# Altium PCB RFC_MB.PcbDoc (part 35 of 37) (continued)
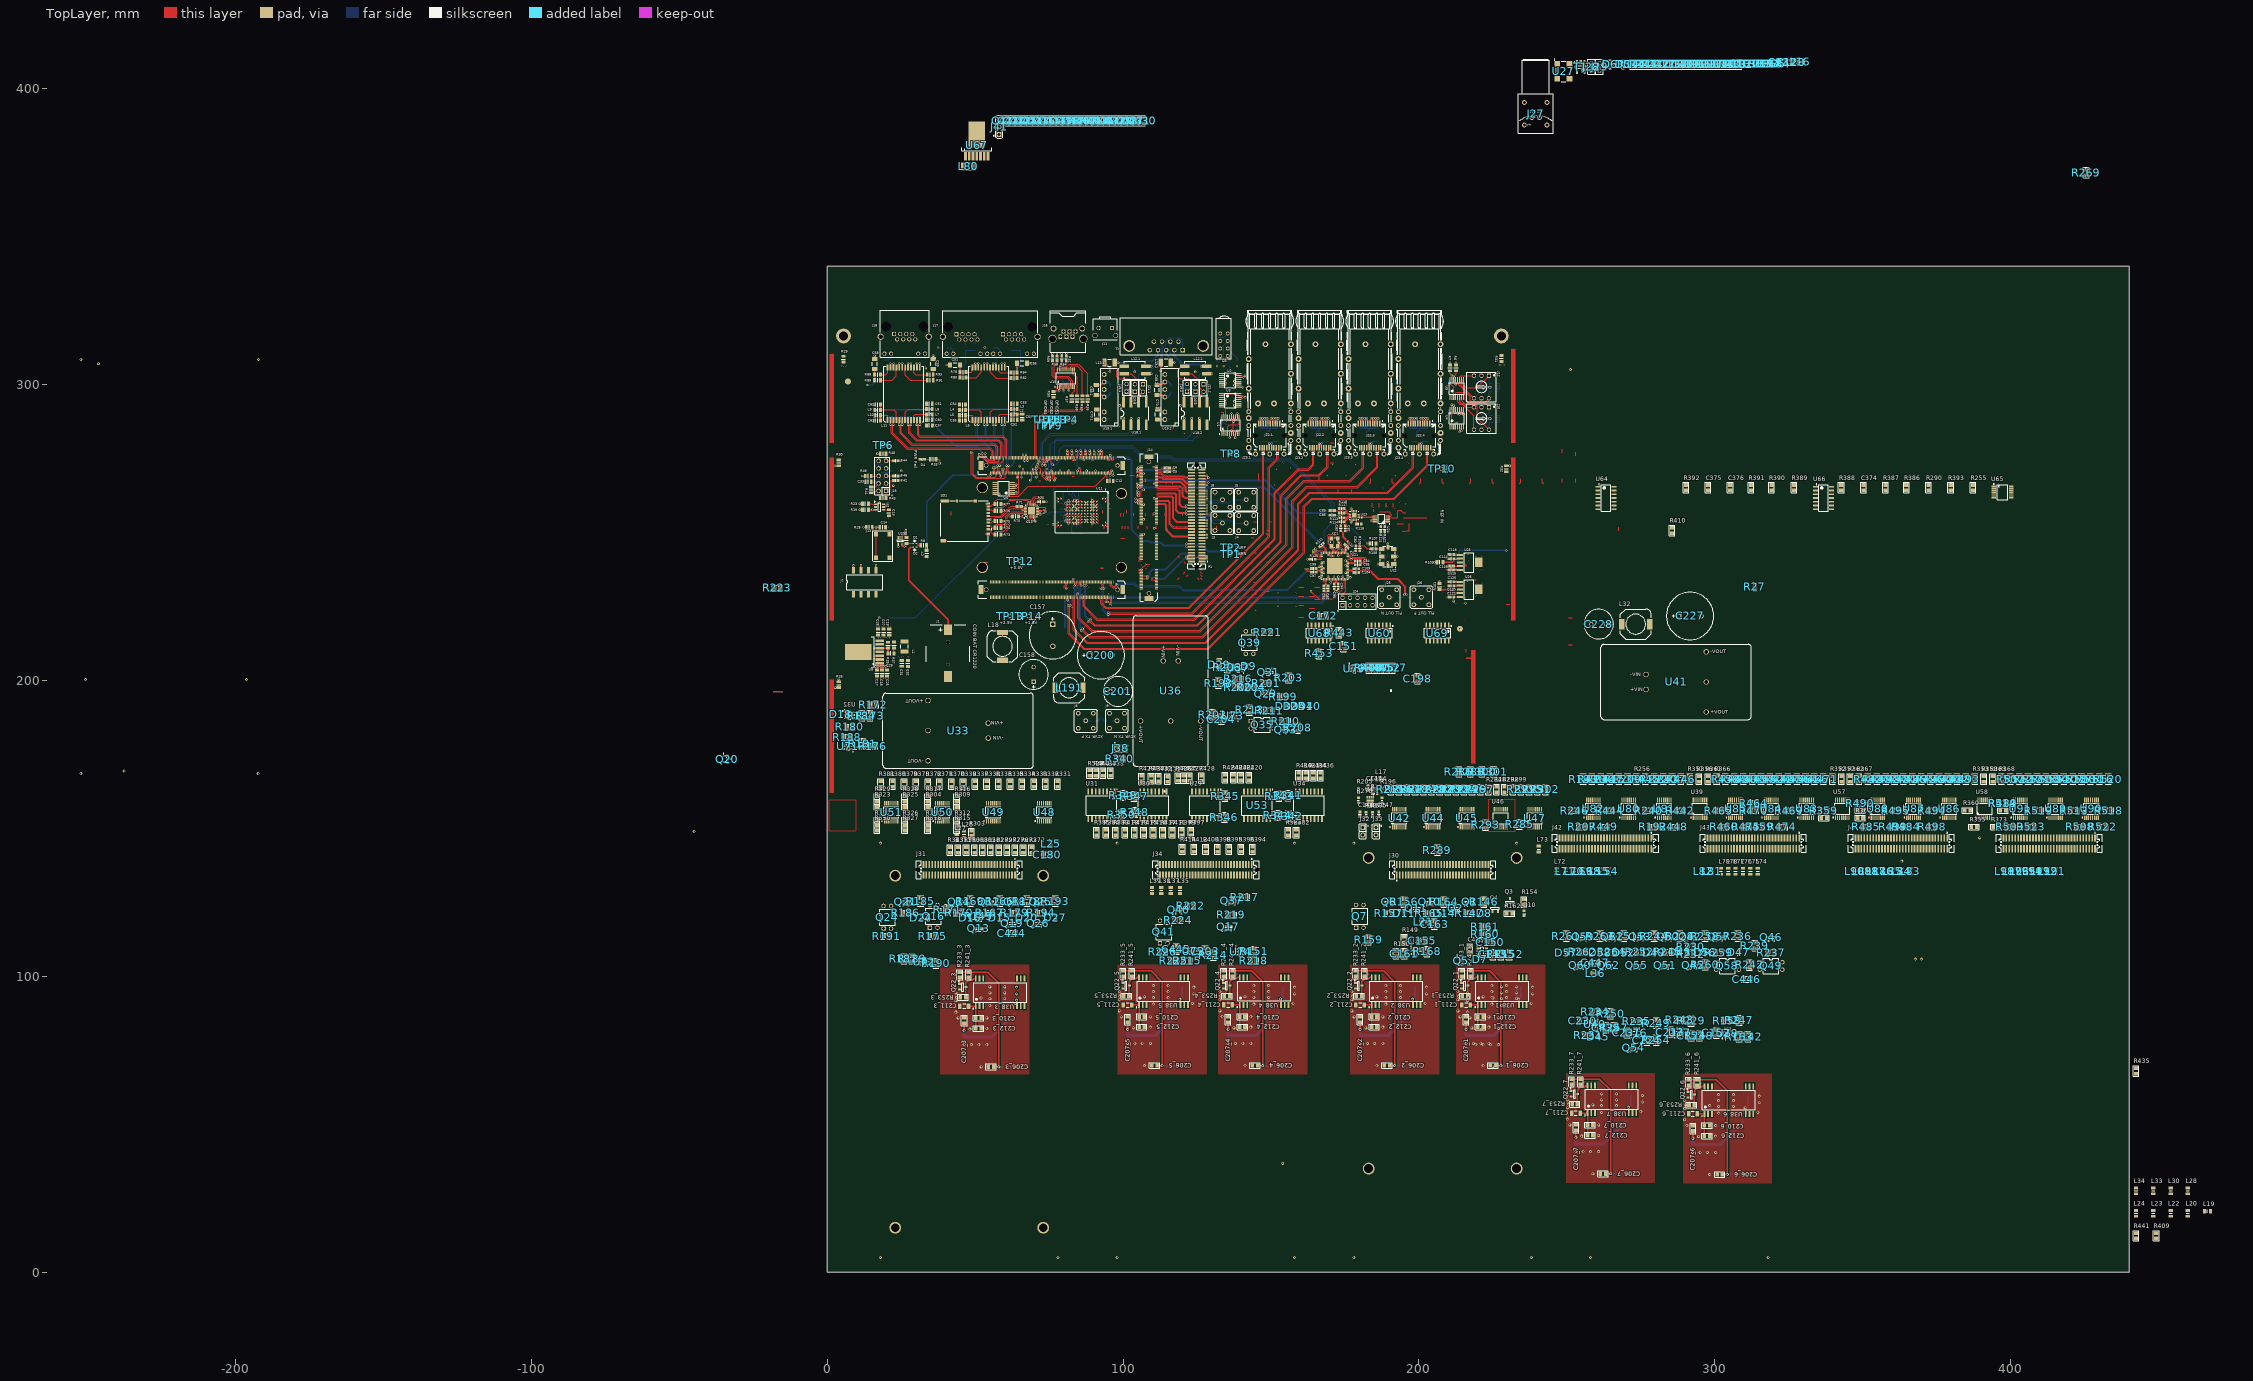
[diagram p0: TopLayer view]
## Nets (pads, with @x,y where several pads share a name; then routed paths per layer and width w, separated by ;. In a path a pad name is that pad's centre, name@x,y a point inside that pad or via, vN(x,y) a via of type N, cw(c..) or ccw(c..) an arc to the next point about the centre after c; other vN are vias at no path point) (continued)
  MidLayer4 w0.15: v1(104.7,262.9) 107.45,262.9 107.904,262.446 115.183,262.446 119.979,257.65 121.97,257.65 125.78,253.84 128.065,253.84 v1(128.375,254.15)
IO_CR27: J14.C132 P1.33 R506.2 | length 28.8
  TopLayer w0.15: v1(105.175,263.4) J14.C132@106.125,263.4 ; P1.33@126.7,256.15 v1(128.375,256.15)
  MidLayer4 w0.15: v1(105.175,263.4) 107.575,263.4 108,262.975 118.375,262.975 124.86,256.49 128.035,256.49 v1(128.375,256.15)
IO_CR28: J14.C134 P1.35 R511.2 | length 29.8
  TopLayer w0.15: v1(104.7,263.9) J14.C134@106.125,263.9 ; P1.35@126.7,257.15 v1(128.375,257.15)
  MidLayer4 w0.15: v1(104.7,263.9) 107.775,263.9 108.35,263.325 118.52,263.325 125.005,256.84 128.065,256.84 v1(128.375,257.15)
IO_CR29: J14.C138 P1.37 R516.2 | length 28.6
  TopLayer w0.15: v1(105.175,264.9) J14.C138@106.125,264.9 ; P1.37@126.7,258.15 v1(128.375,258.15)
  MidLayer4 w0.15: v1(105.175,264.9) 107.325,264.9 107.775,264.45 119.025,264.45 124.985,258.49 128.035,258.49 v1(128.375,258.15)
IO_CR30: J14.C140 P1.39 R520.2 | length 29.6
  TopLayer w0.15: v1(104.7,265.4) J14.C140@106.125,265.4 ; P1.39@126.7,259.15 v1(128.375,259.15)
  MidLayer4 w0.15: v1(104.7,265.4) 107.3,265.4 107.9,264.8 119.17,264.8 125.13,258.84 128.065,258.84 v1(128.375,259.15)
IO_CR31: J14.C142 P1.43 R507.2 | length 27.8
  TopLayer w0.15: v1(105.175,265.9) J14.C142@106.125,265.9 ; P1.43@126.7,261.15 v1(128.375,261.15)
  MidLayer4 w0.15: v1(105.175,265.9) 107.625,265.9 108.075,265.45 120.575,265.45 124.535,261.49 128.035,261.49 v1(128.375,261.15)
IO_CR32: J14.C144 P1.45 R512.2 | length 28.8
  TopLayer w0.15: v1(104.7,266.4) J14.C144@106.125,266.4 ; P1.45@126.7,262.15 v1(128.375,262.15)
  MidLayer4 w0.15: v1(104.7,266.4) 107.625,266.4 108.225,265.8 120.72,265.8 124.68,261.84 128.065,261.84 v1(128.375,262.15)
IO_CR33: C88.2 J14.C148
IO_CR34: C89.2 J14.C150
IO_CR35: J14.C154 P1.47 | length 29.2
  TopLayer w0.15: v1(104.7,268.9) J14.C154@106.125,268.9 ; P1.47@126.7,263.15 v1(128.375,263.15)
  MidLayer4 w0.15: v1(104.7,268.9) 108.025,268.9 109.725,267.2 121.25,267.2 124.96,263.49 128.035,263.49 v1(128.375,263.15)
IO_CR36: J14.C156 P1.49 | length 28.3
  TopLayer w0.15: v1(105.175,269.4) J14.C156@106.125,269.4 ; P1.49@126.7,264.15 v1(128.375,264.15)
  MidLayer4 w0.15: v1(105.175,269.4) 108.041,269.4 108.433,269.008 108.422,268.997 109.87,267.55 121.395,267.55 125.105,263.84 128.065,263.84 v1(128.375,264.15)
IO_CR37: J14.C160 P1.53 | length 28.5
  TopLayer w0.15: v1(104.7,270.4) J14.C160@106.125,270.4 ; P1.53@126.7,266.15 v1(128.375,266.15)
  MidLayer4 w0.15: v1(104.7,270.4) 107.65,270.4 107.825,270.225 112.03,270.225 113.83,268.425 122.8,268.425 124.885,266.34 127.585,266.34 127.775,266.15 v1(128.375,266.15)
IO_CR38: J14.C162 P1.55 | length 28.8
  TopLayer w0.15: v1(105.175,270.9) J14.C162@106.125,270.9 ; P1.55@126.7,267.15 128.575,267.15 v1(128.875,266.85)
  MidLayer4 w0.15: v1(105.175,270.9) 107.75,270.9 108.075,270.575 112.175,270.575 113.975,268.775 122.945,268.775 125.03,266.69 127.615,266.69 127.775,266.85 v1(128.875,266.85)
IO_CR39: J14.C164 P1.57 | length 29
  TopLayer w0.15: v1(104.7,271.4) J14.C164@106.125,271.4 ; P1.57@126.7,268.15 128.525,268.15 v1(128.825,268.45)
  MidLayer4 w0.15: v1(104.7,271.4) 107.825,271.4 108.075,271.15 112.55,271.15 114.05,269.65 123.8,269.65 124.84,268.61 127.615,268.61 127.775,268.45 v1(128.825,268.45)
IO_CR40: J14.C166 P1.59 | length 27.1
  TopLayer w0.15: v1(105.175,271.9) J14.C166@106.125,271.9 ; P1.59@126.7,269.15 v1(128.375,269.15)
  MidLayer4 w0.15: v1(105.175,271.9) 107.925,271.9 108.325,271.5 112.695,271.5 114.195,270 123.945,270 124.985,268.96 127.585,268.96 127.775,269.15 v1(128.375,269.15)
IO_CR_FX1: J14.C4
IO_CR_FX2: J14.C6
IO_CR_FX3: J14.C10
IO_CR_FX4: J14.C12
IO_CR_FX5: J14.C24 | length 1
  TopLayer w0.15: 105.175,236.4 J14.C24@106.125,236.4
IO_CR_FX6: J14.C28 | length 1
  TopLayer w0.15: 105.175,237.4 J14.C28@106.125,237.4
IO_CR_FX7: J14.C32
IO_CR_FX8: J14.C36
IO_CR_FX9: J14.C40 | length 1
  TopLayer w0.15: 105.175,240.4 J14.C40@106.125,240.4
IO_CR_FX10: J14.C44 | length 1
  TopLayer w0.15: 105.175,241.4 J14.C44@106.125,241.4
IO_CR_FX11: J14.C48
IO_CR_FX12: J14.C50
IO_CR_FX13: J14.C54
IO_CR_FX14: J14.C56
IO_CR_FX15: J14.C60
IO_CR_FX16: J14.C62
IO_DDS1: R265.2
IO_DDS2: R266.2
IO_DDS3: R267.2
IO_DDS4: R268.2
IO_DDS5: R274.2
IO_DDS6: R278.2
IO_DDS7: R282.2
IO_DDS8: R283.2
IO_DDS9: R292.2
IO_DDS10: R294.2
IO_DDS11: R296.2
IO_DDS12: R297.2
IO_DDS13: R287.2
IO_DDS14: R284.2
IO_DDS15: R298.2
IO_DDS16: R299.2
IO_DDS17: R291.2@234.5,164.05
IO_DDS18: R295.2
IO_DDS19: R291.2@240,164.05
IO_DDS20: R269.1
IO_DDS21: R286.2
IO_DDS22: R288.2
IO_DDS23: R300.2
IO_DDS24: R301.2
IO_UPDT: R268.1 U42.11
IO_UPDTdds: J30.18 U44.5
IOCL21: P1.18 | length 21.4
  TopLayer w0.15: 111.325,259.4 111.95,259.4 112.04,259.49 113.96,259.49 114.425,259.025 114.425,250.73 116.68,248.475 121.8,248.475 122.125,248.15 P1.18@123.1,248.15
IOCL22: P1.20 | length 21.4
  TopLayer w0.15: 111.325,259.9 111.95,259.9 112.01,259.84 114.105,259.84 114.775,259.17 114.775,250.875 116.825,248.825 121.8,248.825 122.125,249.15 P1.20@123.1,249.15
IOCL23: P1.24 | length 19.9
  TopLayer w0.15: 111.325,260.4 111.95,260.4 112.04,260.49 115.11,260.49 115.6,260 115.6,252.78 116.905,251.475 121.8,251.475 122.125,251.15 P1.24@123.1,251.15
IOCL24: P1.26 | length 19.9
  TopLayer w0.15: 111.325,260.9 111.95,260.9 112.01,260.84 115.255,260.84 115.95,260.145 115.95,252.925 117.05,251.825 121.8,251.825 122.125,252.15 P1.26@123.1,252.15
IOCL25: P1.28 | length 19.5
  TopLayer w0.15: 111.325,261.9 111.95,261.9 112.04,261.99 116.285,261.99 116.75,261.525 116.75,254.7 117.975,253.475 121.8,253.475 122.125,253.15 P1.28@123.1,253.15
IOCL26: P1.30 | length 19.5
  TopLayer w0.15: 111.325,262.4 111.95,262.4 112.01,262.34 116.43,262.34 117.1,261.67 117.1,254.845 118.12,253.825 121.8,253.825 122.125,254.15 P1.30@123.1,254.15
IOCL27: P1.34
IOCL28: P1.36
IOCL29: P1.38
IOCL30: P1.40
IOCL31: P1.44 | length 15.1
  TopLayer w0.15: 111.325,265.4 111.95,265.4 112.04,265.49 119.21,265.49 119.95,264.75 119.95,262.275 120.75,261.475 121.8,261.475 122.125,261.15 P1.44@123.1,261.15
IOCL32: P1.46 | length 15
  TopLayer w0.15: 111.325,265.9 111.95,265.9 112.01,265.84 119.355,265.84 120.3,264.895 120.3,262.45 120.925,261.825 121.8,261.825 122.125,262.15 P1.46@123.1,262.15
IOCL33: P1.48 | length 14.2
  TopLayer w0.15: 111.325,266.9 111.95,266.9 112.04,266.99 119.285,266.99 120.975,265.3 120.975,263.972 121.472,263.475 121.8,263.475 122.125,263.15 P1.48@123.1,263.15
IOCL34: P1.50 | length 14.2
  TopLayer w0.15: 111.325,267.4 111.95,267.4 112.01,267.34 119.43,267.34 121.325,265.445 121.325,264.075 121.575,263.825 121.8,263.825 122.125,264.15 P1.50@123.1,264.15
IOCL35: P1.54 | length 12.8
  TopLayer w0.15: 111.325,268.4 111.95,268.4 112.04,268.49 112.96,268.49 113.45,268 119.8,268 121.325,266.475 121.8,266.475 122.125,266.15 P1.54@123.1,266.15
IOCL36: P1.56 | length 12.8
  TopLayer w0.15: 111.325,268.9 111.95,268.9 112.01,268.84 113.105,268.84 113.595,268.35 120.05,268.35 121.575,266.825 121.8,266.825 122.125,267.15 P1.56@123.1,267.15
IOCL37: P1.58 | length 12.5
  TopLayer w0.15: 111.325,269.9 112.725,269.9 113.8,268.825 120.225,268.825 120.575,268.475 121.8,268.475 122.125,268.15 P1.58@123.1,268.15
IOCL38: P1.60 | length 12.6
  TopLayer w0.15: 111.325,270.4 112.775,270.4 114.025,269.15 120.45,269.15 120.775,268.825 121.8,268.825 122.125,269.15 P1.60@123.1,269.15
JTAG_P\R\S\N\T\: J15.2 R41.1 | length 2.8
  TopLayer w0.25: R41.1@14.875,263.375 15.875,263.375 16.52,264.02 J15.2@17.38,264.02
JTAG_TCK: J14.A123 R42.1 | length 52.7
  TopLayer w0.15: J14.A123@66.175,275.25 v1(66.175,276.25)
  TopLayer w0.3: R42.1@23.96,267.56 v1(24.94,267.56)
  MidLayer3 w0.15: v1(24.94,267.56) 25.625,268.245 25.625,269.5 25.175,269.95 24.825,269.95 24.245,270.53 24.245,274.645 24.525,274.925 64.85,274.925 v1(66.175,276.25)
JTAG_TDI: J14.A117 R44.1 | length 45.5
  TopLayer w0.15: v1(67.675,274.25) J14.A117@67.675,275.25
  TopLayer w0.3: R44.1@23.96,274.21 v1(24.94,274.21)
  MidLayer3 w0.15: v1(24.94,274.21) 26.51,274.21 26.89,274.59 61.03,274.59 61.995,273.625 67.05,273.625 v1(67.675,274.25)
JTAG_TDO: J14.A121 R47.1 | length 1.9
  TopLayer w0.15: v1(66.675,274.25) J14.A121@66.675,275.25
  BottomLayer w0.15: v1(66.675,274.25) 66.7,274.275 R47.1@66.7,273.425
JTAG_TMS: J14.A119 R46.1 | length 52.4
  TopLayer w0.15: J14.A119@67.175,275.25 v1(67.175,276.275)
  TopLayer w0.3: R46.1@23.96,269.11 v1(24.94,269.11)
  MidLayer3 w0.15: v1(24.94,269.11) 23.925,270.125 23.925,274.778 24.392,275.245 64.295,275.245 65.825,276.775 66.675,276.775 v1(67.175,276.275)
M_RST: R278.1 U44.13
M_RSTdds: J30.31 U46.4
MGND: C51.2 C56.1 C58.1 C59.1 J2.5 J2.S1 J2.S2 J11.0 J16.0 J17.S1 J17.S2 J18.S1 J18.S2 R26.1 R27.1 R29.1 R31.1 | length 245.5
  TopLayer w0.3: R26.1@3.925,199.55 v1(3.925,200.425) ; C58.1@16.035,308.585 v1(16.035,309.685) ; C59.1@35.81,308.635 v1(35.81,309.735) ; v1(40.4,306.575) C51.2@41.5,306.575 ; C56.1@67.535,307.185 v1(68.635,307.185) ; 215.9,209.55 215.9,210.4 215.925,210.425
  MidLayer3 w0.5: v1(3.925,200.425) 2.175,200.425 1.5,201.1 1.5,312.4 5.5,316.4 ; 215.9,210.4 215.925,210.425 217.675,210.425 218.35,211.1 ; 227.85,316.4 231.85,312.4 231.85,201.1
MGT_RX1_N: J14.B28
MGT_RX1_P: J14.B24
MGT_RX2_N: J14.B36
MGT_RX2_P: J14.B32
MGT_RX6N: J14.B62
MGT_RX6P: J14.B60
MGT_RX7N: J14.B68
MGT_RX7P: J14.B66
MGT_RX8.IO_N: J14.C20 P1.5 | length 28.7
  TopLayer w0.15: J14.C20@106.125,235.4 107.5,235.4 107.665,235.235 v1(108.175,235.235) ; P1.5@126.7,242.15 128.175,242.15 v1(128.327,241.998)
  BottomLayer w0.15: v1(108.175,235.235) 108.348,235.062 108.525,235.062 108.875,235.412 108.875,236.635 109.89,237.65 114.275,237.65 119.7,243.075 122.335,243.075 123.585,241.825 128.153,241.825 v1(128.327,241.998)
MGT_RX8.IO_P: J14.C16 P1.3 | length 28.7
  TopLayer w0.15: J14.C16@106.125,234.4 107.55,234.4 107.715,234.565 v1(108.175,234.565) ; P1.3@126.7,241.15 128.153,241.15 v1(128.327,241.323)
  BottomLayer w0.15: v1(108.175,234.565) 108.348,234.738 108.66,234.738 109.2,235.278 109.2,236.5 110.025,237.325 114.41,237.325 119.835,242.75 122.2,242.75 123.45,241.5 128.15,241.5 v1(128.327,241.323)
MGT_TX1_N: J14.B25
MGT_TX1_P: J14.B21
MGT_TX2_N: J14.B33
MGT_TX2_P: J14.B29
MGT_TX6_N: C9.2 J14.B63 | length 2.2
  TopLayer w0.25: v1(80.773,231.175) 80.773,231.823 81.175,232.225 J14.B63@81.175,233.25
MGT_TX6_P: C8.2 J14.B65 | length 2.3
  TopLayer w0.25: 80.103,231.175 80.103,231.778 80.675,232.35 J14.B65@80.675,233.25
MGT_TX7N: J14.B71
MGT_TX7P: J14.B69
MGT_TX8.IO_N: J14.C17 P1.6 | length 18.8
  TopLayer w0.15: 109.575,234.735 109.59,234.75 110,234.75 110.15,234.9 J14.C17@111.325,234.9 ; v1(121.476,241.973) 121.653,242.15 P1.6@123.1,242.15
  BottomLayer w0.15: 109.59,234.75 109.575,234.735 109.735,234.895 110.73,234.895 111.063,234.563 113.863,234.563 121.1,241.8 121.45,241.8 121.476,241.826 v1(121.476,241.973)
MGT_TX8.IO_P: J14.C13 P1.4 | length 18.8
  TopLayer w0.15: 109.575,234.065 109.59,234.05 110,234.05 110.15,233.9 J14.C13@111.325,233.9 ; v1(121.476,241.298) 121.625,241.15 P1.4@123.1,241.15
  BottomLayer w0.15: 109.59,234.05 109.575,234.065 109.735,233.905 110.73,233.905 111.063,234.237 113.997,234.237 121.235,241.475 121.45,241.475 121.476,241.449 v1(121.476,241.298)
ModDef_SFP0: J22.1.6 R100.1.8 U3.5 | length 27.1
  TopLayer w0.15: U3.5@133.255,294.275 v1(134.45,294.275) v1@134.455,294.275
  TopLayer w0.3: v1(148.68,288.595) 148.68,288.195 148.975,287.9 J22.1.6@148.975,286.8
  MidLayer4 w0.15: v1(134.45,294.275) 134.9,294.275 135.57,293.605 135.57,292.76 136.845,291.485 140.162,291.485 140.89,290.757 140.89,285.935 141.825,285 143.675,285 145.7,287.025 147.525,287.025 148.68,288.18 v1(148.68,288.595)
  BottomLayer w0.15: R100.1.8@148.68,287.7 v1(148.68,288.595)
ModDef_SFP1: J22.2.6 R100.2.8 U3.10 | length 38.4
  TopLayer w0.15: v1(137.6,292.975) U3.10@138.95,292.975
  TopLayer w0.3: v1(165.555,288.595) 165.555,288.195 165.85,287.9 J22.2.6@165.85,286.8
  MidLayer4 w0.15: v1(137.6,292.975) 142.4,292.975 144.525,295.1 163.675,295.1 165.555,293.22 v1(165.555,288.595)
  BottomLayer w0.15: R100.2.8@165.555,287.7 v1(165.555,288.595)
ModDef_SFP2: J22.3.6 R100.3.8 U2.5 | length 71.5
  TopLayer w0.15: U2.5@133.255,301.05 v1(134.45,301.05) v1@134.455,301.05
  TopLayer w0.3: v1(182.43,288.595) 182.43,288.195 182.725,287.9 J22.3.6@182.725,286.8
  MidLayer4 w0.15: v1(134.45,301.05) 134.875,301.05 137.705,298.22 140.392,298.22 141.742,296.87 185.517,296.87 187.15,295.237 187.15,289.138 187.145,289.133 187.145,288.117 186.778,287.75 183.275,287.75 v1(182.43,288.595)
  BottomLayer w0.15: R100.3.8@182.43,287.7 v1(182.43,288.595)
ModDef_SFP3: J22.4.6 R100.4.8 U2.10 | length 75.7
  TopLayer w0.15: v1(137.6,299.75) U2.10@138.95,299.75
  TopLayer w0.3: v1(199.305,288.595) 199.305,288.195 199.6,287.9 J22.4.6@199.6,286.8
  MidLayer4 w0.15: v1(137.6,299.75) 139.5,299.75 140.32,300.57 195.108,300.57 198.025,297.653 198.025,290.225 199.305,288.945 v1(199.305,288.595)
  BottomLayer w0.15: R100.4.8@199.305,287.7 v1(199.305,288.595)
MX0: R338.1 U49.14
MX0_Host2i: R425.2 U29.3
MX0i: J34.30 U29.14
MX1: R337.1 U49.13
MX1_Host2i: R424.2 U53.5
MX1i: J34.26 U53.12
MX2: R336.1 U49.12
MX2_Host2i: R423.2 U53.6
MX2i: J34.22 U53.11
NetC13_1: C13.1 U7.4 | length 1.8
  TopLayer w0.25: U7.4@19.035,257.635 20.84,257.635 C13.1@20.85,257.625
NetC16_1: C16.1 R34.1 U8.2 | length 19.5
  TopLayer w0.5: v1(15.82,207.07) U8.2@17.76,207.07
  MidLayer3 w0.25: v1@15.8,207.05 v1(15.82,207.07) 16.45,207.7 16.45,212.15 15.95,212.65 15.95,219.475 v1(17.575,221.1)
  BottomLayer w0.25: C16.1@14.5,207.05 v1@15.8,207.05 ; v1(17.575,221.1) 18.6,221.1 R34.1@18.6,221.125
NetC29_1: C29.1 R37.2 | length 1.8
  TopLayer w0.3: C29.1@22.535,209.11 22.56,209.16 R37.2@22.56,210.935
NetC29_2: C29.2 R35.2 R38.1 U8.5 | length 9.2
  TopLayer w0.5: v1(15.82,210.88) U8.5@17.76,210.88
  TopLayer w0.6: U8.5@17.76,210.88 17.76,210.885 R35.2@20.535,210.885 C29.2@20.535,209.11
  BottomLayer w0.5: v1(15.82,210.88) 15.82,211.445 16.135,211.76 R38.1@17.785,211.76
NetC30_2: C30.2 U8.3 | length 5.6
  TopLayer w0.5: v1(15.82,208.34) U8.3@17.76,208.34
  BottomLayer w0.3: v1(15.82,208.34) 16.43,208.34 16.585,208.185 16.585,206.71 17.01,206.285 C30.2@17.785,206.285
NetC34_1: C34.1 U10.3 | length 2.1
  TopLayer w0.25: U10.3@79.085,299.16 v1(79.085,300.135)
  BottomLayer w0.25: C34.1@77.985,300.185 78.035,300.135 v1(79.085,300.135)
NetC35_1: C35.1 U10.7 | length 2.4
  TopLayer w0.25: v1(81.685,298.01) U10.7@81.685,299.16
  BottomLayer w0.25: v1(81.685,298.01) 81.985,298.31 C35.1@81.985,299.16
NetC36_1: C36.1 U10.4 | length 2.3
  TopLayer w0.25: v1(79.735,298.01) U10.4@79.735,299.16
  BottomLayer w0.25: v1(79.735,298.01) 80.135,297.61 C36.1@80.135,297.01
NetC36_2: C36.2 U10.2 | length 2.3
  TopLayer w0.25: v1(78.435,298.01) U10.2@78.435,299.16
  BottomLayer w0.25: C36.2@78.135,297.01 78.135,297.71 v1(78.435,298.01)
NetC37_1: C37.1 U10.6 | length 2.7
  TopLayer w0.25: U10.6@81.035,299.16 81.035,300.31
  BottomLayer w0.25: 81.035,300.31 81.16,300.36 81.71,300.91 C37.1@81.71,301.56
NetC37_2: C37.2 U10.5 | length 2.7
  TopLayer w0.25: U10.5@80.385,299.16 80.385,300.31
  BottomLayer w0.25: C37.2@79.71,301.56 79.71,300.91 80.26,300.36 80.385,300.31
NetC41_1: C41.1 C42.2 U11.E4 | length 5.3
  TopLayer w0.15: U11.E4@90.05,258.375 v1(90.55,258.875)
  BottomLayer w0.15: C41.1@92.45,259.375 91.05,259.375 v1(90.55,258.875) 91.05,258.375 C42.2@92.825,258.375
NetC51_1: C51.1 R78.1 R80.1 R81.2 R83.2 | length 15.5
  TopLayer w0.3: R80.1@44.91,302.31 R78.1@44.91,304.16 C51.1@44.91,306.425
  BottomLayer w0.25: 44.91,304.16 44.925,305.275 46.76,307.11 R81.2@46.76,311.56 46.785,311.535 R83.2@49.96,311.535
NetC52_2: C52.2 L2.1 L6.10 | length 7.7
  TopLayer w0.25: C52.2@62.2,288.075 62.2,289.88 L2.1@62.205,289.885
  TopLayer w0.3: L6.10@58.015,288 58.015,289.495 58.405,289.885 L2.1@62.205,289.885
NetC53_2: C53.2 L3.1 L6.7 | length 12.1
  TopLayer w0.25: C53.2@62.2,293.5 62.2,291.69 L3.1@62.205,291.685
  TopLayer w0.3: L6.7@55.045,288 55.045,290.65 56.08,291.685 L3.1@62.205,291.685
NetC54_2: C54.2 L4.1 L6.4 | length 10
  TopLayer w0.3: C54.2@46.75,293.2 46.755,293.195 L4.1@46.755,291.385 51.255,291.385 52.075,290.565 L6.4@52.075,288
NetC55_2: C55.2 L5.1 L6.1 | length 5.7
  TopLayer w0.3: C55.2@46.75,287.775 46.755,287.78 L5.1@46.755,289.585 48.97,289.585 49.105,289.45 L6.1@49.105,288
NetC56_2: C56.2 R82.1 R84.1 R86.2 R87.2 | length 14.7
  TopLayer w0.3: C56.2@64.135,307.185 64.16,307.16 v1(64.16,305.46) R84.1@64.16,303.985 R82.1@64.16,302.16
  BottomLayer w0.25: R86.2@62.335,311.535 R87.2@65.41,311.535 65.41,306.71 v1(64.16,305.46)
NetC58_2: C58.2 R88.1 R89.1 | length 3.8
  TopLayer w0.3: R89.1@16.035,301.435 R88.1@16.035,303.335 16.035,304.885 16.185,305.035 C58.2@16.26,305.11
NetC59_2: C59.2 R91.1 R93.1 | length 3.6
  TopLayer w0.3: C59.2@35.585,304.985 35.81,304.76 R93.1@35.81,303.335 R91.1@35.81,301.435
NetC60_2: C60.2 L7.1 L11.10 | length 7.6
  TopLayer w0.3: L11.10@29.32,288 29.32,289.495 29.71,289.885 L7.1@33.51,289.885 C60.2@33.51,288.085
NetC61_2: C61.2 L8.1 L11.7 | length 12
  TopLayer w0.3: L11.7@26.35,288 26.35,290.65 27.385,291.685 L8.1@33.51,291.685 C61.2@33.51,293.485
NetC62_2: C62.2 L9.1 L11.4 | length 10
  TopLayer w0.3: C62.2@18.06,293.185 L9.1@18.06,291.385 22.56,291.385 23.38,290.565 L11.4@23.38,288
NetC63_2: C63.2 L10.1 L11.1 | length 5.7
  TopLayer w0.3: C63.2@18.035,287.785 18.035,289.56 L10.1@18.06,289.585 20.275,289.585 20.41,289.45 L11.1@20.41,288
NetC64.1_2: C64.1.2 J20.1.2 | length 1.9
  BottomLayer w0.3: J20.1.2@103.95,300.07 C64.1.2@103.95,301.925
NetC64.2_2: C64.2.2 J20.2.2 | length 1.9
  BottomLayer w0.3: J20.2.2@124.425,300.07 C64.2.2@124.425,301.925
NetC115_1: C115.1 R104.1 U25.5 | length 4.2
  TopLayer w0.3: C115.1@211.7,237.3 211.743,237.343 v1(212.507,237.343) U25.5@213.875,237.343
  BottomLayer w0.25: 211.05,238.225 211.05,237.85 211.557,237.343 v1(212.507,237.343)
NetC119_2: C119.2 U25.4 | length 2.2
  TopLayer w0.3: C119.2@211.7,238.6 211.7,238.613 U25.4@213.875,238.613
NetC121_1: C121.1 R102.1 U26.5 | length 5.1
  TopLayer w0.15: v1(211.725,226.775) 211.723,226.777 C121.1@211.723,228.15 211.723,228.185 U26.5@213.875,228.185
  BottomLayer w0.25: v1(211.725,226.775) 211.725,226.3 211.95,226.075 R102.1@212.7,226.075
NetC122_1: C122.1 R130.1 R131.2 U26.4 | length 5.7
  TopLayer w0.15: v1(212.507,229.455) U26.4@213.875,229.455
  BottomLayer w0.25: R130.1@209.923,229.775 210.725,229.775 210.925,229.975 211.498,229.975 C122.1@211.523,229.95 212.05,229.95 212.507,229.493 v1(212.507,229.455) 212.507,229.107 212.325,228.925 R131.2@212.325,228.1
NetC126_2: C126.2 C127.2 C128.1 C130.2 C131.2 C135.2 L16.2 R133.1 R134.2
NetC133_1: C133.1 U21.7
NetC133_2: C133.2 C135.1 R134.1 R136.1
NetC134_2: C134.2 R132.1 R135.2 U27.1
NetC136_2: C136.2 R136.2
NetC137_1: C137.1 U21.10
NetC139_1: C139.1 J27.1 R137.2
NetC139_2: C139.2 T1.4
NetC140_1: C140.1 T1.3
NetC140_2: C140.2 R140.2
NetC141_1: C141.1 T1.1
NetC141_2: C141.2 R141.2
NetC142_1: C142.1 R163.2 R247.2 U78.2
NetC143_2: C143.2 R152.2 R155.2 U70.5
NetC144_2: C144.2 U43.3
NetC145_2: C145.2 U43.4
NetC146_1: C146.1 R195.2 U43.8
NetC147_1: C147.1 R197.1 U43.9
NetC148_2: C148.2 C149.2 C244.1 L17.1 R196.2 R205.2 U43.2
NetC153_2: C153.2 R229.1 R248.1 U77.5
NetC156_1: C156.1 C158.1 C165.2 C167.1 L18.2 U33.1
NetC161_1: C161.1 R149.2 R150.2 U28.2
NetC168_1: C168.1 C201.1 C435.2 C436.2 L191.2 U36.1
NetC172_1: C172.1 U68.4 U68.5
NetC172_2: C172.2 R443.1 U68.1
NetC197_2: C197.2 R200.1 R204.1 U37.5
NetC198_2: C198.2 R405.2 R407.2 U79.5
NetC205_2: C205.2 R218.1 R227.1 U74.5
NetC207_1_2: C207_1.2 L29_1.2 L31_1.1 | length 24.8
  TopLayer w0.5: 215.95,82.6 C207_1.2@215.95,84.5
  TopLayer w1: v2(215.95,82) 215.95,82.6
  BottomLayer w1: v2(215.95,82) L31_1.1@215.95,79.9 225.3,79.9 L29_1.2@232.95,87.55
NetC207_2_2: C207_2.2 L29_2.2 L31_2.1 | length 24.8
  TopLayer w0.5: 180.1,82.6 C207_2.2@180.1,84.5
  TopLayer w1: v2(180.1,82) 180.1,82.6
  BottomLayer w1: v2(180.1,82) L31_2.1@180.1,79.9 189.45,79.9 L29_2.2@197.1,87.55
NetC207_3_2: C207_3.2 L29_3.2 L31_3.1 | length 24.8
  TopLayer w0.5: 46.3,82.2 C207_3.2@46.3,84.1
  TopLayer w1: v2(46.3,81.6) 46.3,82.2
  BottomLayer w1: v2(46.3,81.6) L31_3.1@46.3,79.5 55.65,79.5 L29_3.2@63.3,87.15
NetC207_4_2: C207_4.2 L29_4.2 L31_4.1 | length 24.8
  TopLayer w0.5: 135.499,82.623 C207_4.2@135.499,84.523
  TopLayer w1: v2(135.499,82.023) 135.499,82.623
  BottomLayer w1: v2(135.499,82.023) L31_4.1@135.499,79.923 144.849,79.923 L29_4.2@152.499,87.573
NetC207_5_2: C207_5.2 L29_5.2 L31_5.1 | length 24.8
  TopLayer w0.5: 101.5,82.6 C207_5.2@101.5,84.5
  TopLayer w1: v2(101.5,82) 101.5,82.6
  BottomLayer w1: v2(101.5,82) L31_5.1@101.5,79.9 110.85,79.9 L29_5.2@118.5,87.55
NetC207_6_2: C207_6.2 L29_6.2 L31_6.1 | length 24.8
  TopLayer w0.5: 292.55,45.8 C207_6.2@292.55,47.7
  TopLayer w1: v2(292.55,45.2) 292.55,45.8
  BottomLayer w1: v2(292.55,45.2) L31_6.1@292.55,43.1 301.9,43.1 L29_6.2@309.55,50.75
NetC207_7_2: C207_7.2 L29_7.2 L31_7.1 | length 24.8
  TopLayer w0.5: 253.05,46.05 C207_7.2@253.05,47.95
  TopLayer w1: v2(253.05,45.45) 253.05,46.05
  BottomLayer w1: v2(253.05,45.45) L31_7.1@253.05,43.35 262.4,43.35 L29_7.2@270.05,51
NetC208_2: C208.2 C216.2 C225.1 Q42.2 R230.1 R250.2 U41.3
NetC210_1_2: C210_1.2 C211_1.2 C212_1.2 L31_1.2 U38_1.1 | length 10
  TopLayer w0.5: C211_1.2@217.4,90.3 U38_1.1@219.85,90.3 C210_1.2@219.85,86.3 C212_1.2@219.85,82.8
NetC210_2_2: C210_2.2 C211_2.2 C212_2.2 L31_2.2 U38_2.1 | length 10
  TopLayer w0.5: C211_2.2@181.55,90.3 U38_2.1@184,90.3 C210_2.2@184,86.3 C212_2.2@184,82.8
NetC210_3_2: C210_3.2 C211_3.2 C212_3.2 L31_3.2 U38_3.1 | length 10
  TopLayer w0.5: C211_3.2@47.75,89.9 U38_3.1@50.2,89.9 C210_3.2@50.2,85.9 C212_3.2@50.2,82.4
NetC210_4_2: C210_4.2 C211_4.2 C212_4.2 L31_4.2 U38_4.1 | length 10
  TopLayer w0.5: C211_4.2@136.949,90.323 U38_4.1@139.399,90.323 C210_4.2@139.399,86.323 C212_4.2@139.399,82.823
NetC210_5_2: C210_5.2 C211_5.2 C212_5.2 L31_5.2 U38_5.1 | length 10
  TopLayer w0.5: C211_5.2@102.95,90.3 U38_5.1@105.4,90.3 C210_5.2@105.4,86.3 C212_5.2@105.4,82.8
NetC210_6_2: C210_6.2 C211_6.2 C212_6.2 L31_6.2 U38_6.1 | length 10
  TopLayer w0.5: C211_6.2@294,53.5 U38_6.1@296.45,53.5 C210_6.2@296.45,49.5 C212_6.2@296.45,46
NetC210_7_2: C210_7.2 C211_7.2 C212_7.2 L31_7.2 U38_7.1 | length 10
  TopLayer w0.5: C211_7.2@254.5,53.75 U38_7.1@256.95,53.75 C210_7.2@256.95,49.75 C212_7.2@256.95,46.25
NetC216_1: C216.1 C219.2 C228.1 C440.1 L32.2 U41.1
NetC217_1: C217.1 C229.2 Q46.2 R237.2 R249.1 U41.5
NetC223_2: C223.2 R172.1 R173.2 U32.5
NetC224_1: C224.1 R249.2 R254.2 U76.2
NetC324_1: C324.1 R176.2 R181.2 U71.2
NetC326_1: C326.1 R187.2 R189.2 U72.2
NetC327_1: C327.1 R212.1 R223.2 U73.2
NetC329_2: C329.2 R215.1 R225.1 U75.2
NetC414_1: C414.1 R401.1 R406.1 U67.2
NetC415_1: C415.1 C426.2
NetC416_1: C416.1 C427.2
NetC417_1: C417.1 C428.2
NetC418_1: C418.1 C429.2
NetC419_1: C419.1 R403.2
NetC419_2: C419.2 R402.2 R404.1 U67.5
NetC430_2: C430.2 C431.2 L80.1 R402.1 R403.1 U67.6 U67.7
NetC432_2: C432.2 U67.3
NetC439_2: C439.2 R250.1 R257.2 U40.5
NetC443_1: C443.1 Q2.1 Q4.1 Q11.1 R159.1 R161.2 U70.1
NetC444_1: C444.1 Q13.1 Q19.1 Q26.1 R175.1 R180.2 R191.1 U32.1
NetC445_1: C445.1 Q17.1 Q31.1 R213.1 R216.2 R226.1 U37.1
NetC446_1: C446.1 Q45.1 Q51.1 Q55.1 Q60.1 Q62.1 R231.2 R242.1 R260.1 U40.1
NetD1_2: D1.2 D2.2 R8.2 | length 3.2
  TopLayer w0.25: D2.2@30.09,245.035 30.585,245.035 30.825,245.275 30.825,245.65 ; D1.2@30.09,246.285 30.59,246.285 30.825,246.05 30.825,245.65 ; R8.2@31.61,245.635 30.84,245.635 30.825,245.65
NetD2_1: D2.1 J1.1 | length 34.6
  TopLayer w0.25: 28.26,245.035 D2.1@29.13,245.035
  TopLayer w0.5: 28.26,245.035 27.575,244.35 27.575,233.825 40.85,220.55 J1.1@40.85,217.13
NetD3_1: D3.1 R25.2 | length 12.3
  BottomLayer w0.15: R25.2@131.75,307.5 131.75,315.3 132.325,315.875 134.1,315.875 135.355,317.13 D3.1@135.355,317.23
NetD3_3: D3.3 R24.2 | length 7.8
  BottomLayer w0.15: R24.2@134,307.5 134,313.23 135.36,314.59 D3.3@135.36,314.69
NetD3_5: D3.5 R22.2 | length 5.9
  BottomLayer w0.15: D3.5@135.365,312.15 135.365,312.05 138.5,308.915 R22.2@138.5,307.5
NetD3_7: D3.7 R21.2 | length 2.5
  BottomLayer w0.15: D3.7@135.37,309.61 135.37,309.51 136.25,308.63 R21.2@136.25,307.5
NetD4_2: D4.2 R33.2 | length 1.9
  TopLayer w0.25: D4.2@32.865,274.71 R33.2@34.815,274.71
NetD5_3: D5.3 R140.1 U24.3 | length 8.9
  TopLayer w0.3: U24.3@189.5,254.875 192.65,254.875 ; 195.6,256.725 194.65,256.725 193.9,257.475 193,257.475 192.75,257.225 192.75,254.975 ; 192.65,254.875 192.75,254.975 ; 192.65,254.875 192.675,254.9 192.75,254.975
NetD6_3: D6.3 R119.2 R120.1 R121.2 R139.1 R141.1 R144.2 U24.2 U24.4 | length 12.3
  TopLayer w0.15: R121.2@187.075,251.925 v1(187.075,252.7) 187.075,252.9 188.4,254.225 U24.2@189.5,254.225
  TopLayer w0.3: 186.7,257.05 190.225,257.05 190.225,256.375 190.6,256 190.6,255.7 190.425,255.525 U24.4@189.5,255.525
  BottomLayer w0.25: R120.1@185.7,251.9 185.725,251.925 R119.2@187.075,251.925 v1(187.075,252.7)
NetD7_1: D7.1 Q5.3 U28.1 U70.3
NetD8_2: D8.2 R146.1
NetD9_1: D9.1 Q39.4 U37.3 U73.1 U74.1 U75.1
NetD10_2: D10.2 R154.1
NetD11_1: D11.1 R156.1
NetD14_2: D14.2 R164.1
NetD15_2: D15.2 R166.1
NetD16_1: D16.1 R169.1
NetD18_1: D18.1 Q20.3 U32.3 U71.1 U72.1
NetD20_2: D20.2 R178.1
NetD24_1: D24.1 R185.1
NetD27_2: D27.2 R193.1
NetD32_2: D32.2 R199.1
NetD35_1: D35.1 R208.1
NetD40_2: D40.2 R217.1
NetD41_1: D41.1 R222.1
NetD43_2: D43.2 R228.1
NetD45_1: D45.1 Q54.3 U40.3 U76.1 U77.1 U78.1
NetD47_1: D47.1 R236.1
NetD49_2: D49.2 R244.1
NetD52_2: D52.2 R251.1
NetD56_1: D56.1 R258.1
NetD57_2: D57.2 R261.1
NetD58_2: D58.2 R263.1
NetJ3_1: J3.1 R9.1 | length 10.3
  BottomLayer w0.25: R9.1@124.325,255.65 125.3,255.65 126.225,254.725 129.15,254.725 130.7,253.175 J3.1@133.575,253.175
NetJ4_1: J4.1 R11.1 | length 18.9
  BottomLayer w0.25: R11.1@124.325,257 125.475,257 127.075,255.4 129.125,255.4 130.175,254.35 136,254.35 137.2,253.15 J4.1@141.625,253.15
NetJ5_1: J5.1 R12.1 | length 18.4
  BottomLayer w0.25: R12.1@124.325,258.375 125.625,258.375 127.2,259.95 136.05,259.95 137.175,261.075 J5.1@141.6,261.075
NetJ6_1: J6.1 R13.1 | length 1.7
  BottomLayer w0.25: J6.1@87.375,186.35 R13.1@89.025,186.35
NetJ8_1: J8.1 R15.1 | length 9.8
  BottomLayer w0.25: R15.1@124.325,259.75 125.7,259.75 126.4,260.45 130.025,260.45 130.65,261.075 J8.1@133.6,261.075
NetJ9_1: J9.1 R17.1 | length 1.7
  BottomLayer w0.25: R17.1@96.25,186.35 J9.1@97.95,186.35
NetJ11_1: J11.1 R19.2 U7.3 | length 126.5
  TopLayer w0.25: R19.2@13.925,257.675 15.22,257.675 v1(15.26,257.635) U7.3@16.335,257.635
  MidLayer3 w0.25: v1(15.26,257.635) 15.22,257.675 14.4,258.495 14.4,259.35 15.675,260.625 15.675,275.1 16.425,275.85 26.15,275.85 26.385,275.615 56.865,275.615 72.075,290.825 79.575,290.825 88.025,299.275 88.025,307.575 93.225,312.775 93.225,316.075 J11.1@96.235,319.085
NetJ14_A110: J14.A110 R39.1 | length 3.6
  TopLayer w0.15: J14.A110@69.675,270.05 v1(69.675,271.4)
  BottomLayer w0.15: v1(69.675,271.4) 69.675,270.075 69.95,269.8 R39.1@70.5,269.8
NetJ16_1: J16.1 R52.2 | length 9.7
  TopLayer w0.25: R52.2@80.835,309.503 v1(80.835,310.41)
  MidLayer3 w0.15: v1(80.835,310.41) 80.835,312.135 83.9,315.2 J16.1@83.9,317.928
NetJ16_2: J16.2 R54.2 | length 8.1
  TopLayer w0.25: R54.2@79.26,309.503 v1(79.26,310.41)
  MidLayer3 w0.15: v1(79.26,310.41) 79.26,311.16 82.88,314.78 J16.2@82.88,316.148
NetJ16_5: J16.5 R58.2 | length 9.3
  TopLayer w0.25: R58.2@77.685,309.503 v1(77.685,310.41)
  MidLayer3 w0.15: v1(77.685,310.41) 77.66,310.435 77.66,312.36 79.82,314.52 J16.5@79.82,317.928
NetJ16_6: J16.6 R59.2 | length 7.8
  TopLayer w0.25: R59.2@76.11,309.503 v1(76.11,310.41)
  MidLayer3 w0.15: v1(76.11,310.41) 76.11,311.335 78.8,314.025 J16.6@78.8,316.148
NetJ17_1A: J17.1A L6.17 | length 13.5
  TopLayer w0.3: L6.17@56.035,305.7 v1(56.035,307.065)
  MidLayer3 w0.25: v1(56.035,307.065) 57.58,308.61 58.285,308.61 59.935,310.26 59.935,313.96 59.415,314.48 J17.1A@59.415,316.985